# KiCad board GDI-4ch.kicad_pcb (continued)
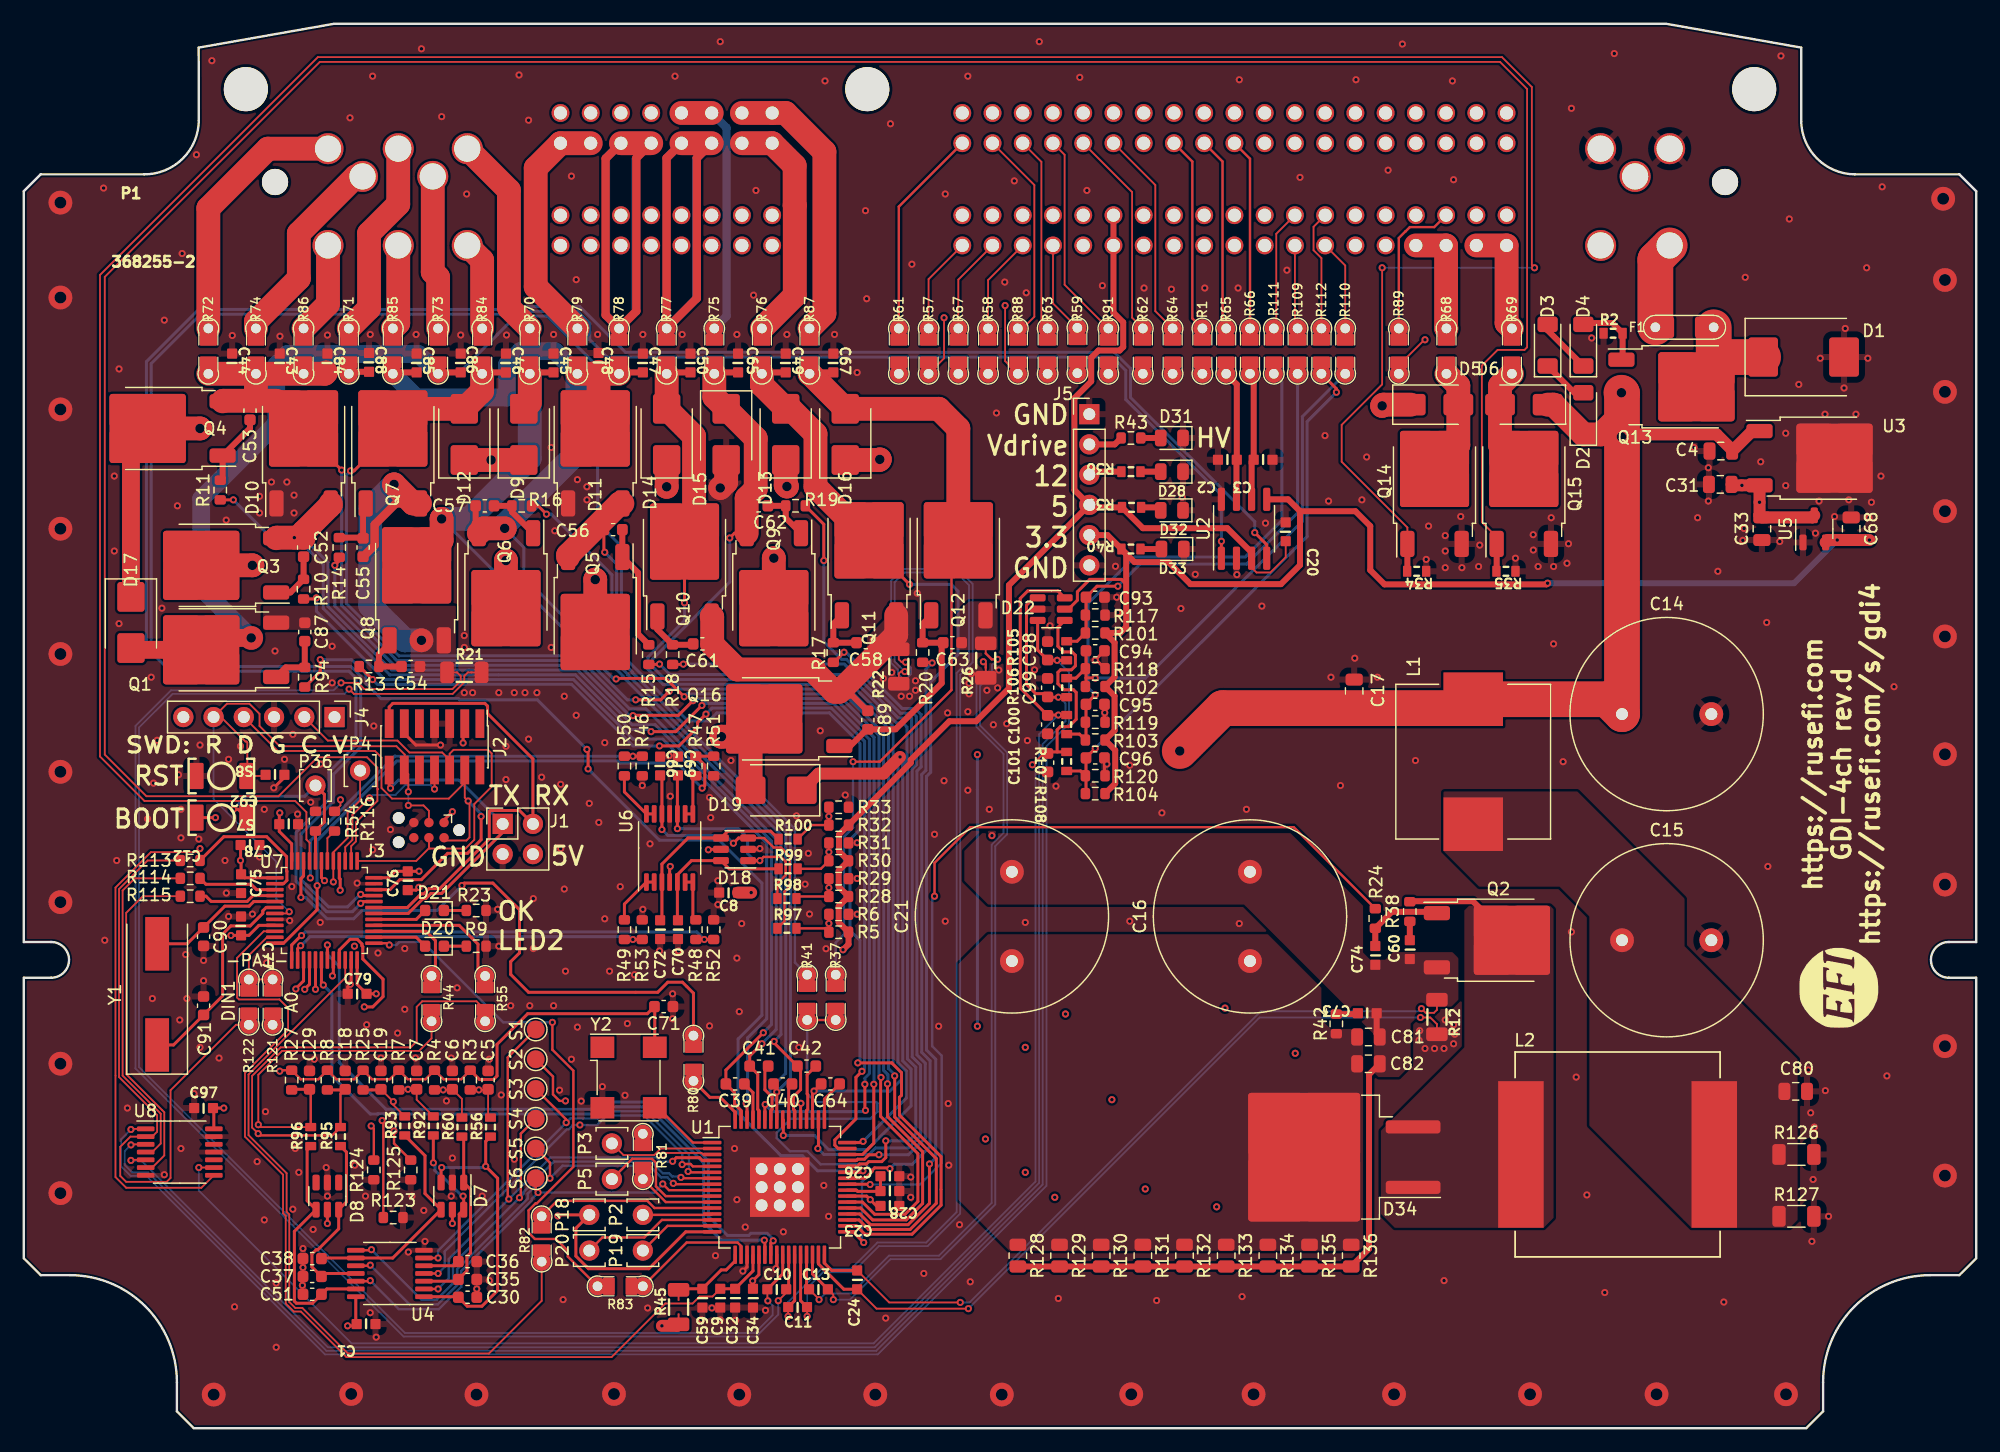
[diagram p0: board, top side]
## Library data of the parts (continued)
R50-R54 = -: Description: Resistor; LCSC: C25804; Manufacturer: StackPole; Part #: RMCF0603JT10K0; VEND: DIGI; VEND#: RMCF0603JT10K0CT-ND
R113-R116 = -: Description: Resistor; LCSC: C21189
R126 R127 = -: Description: Resistor; LCSC: C17944
R128-R136 = -: Description: Resistor; LCSC: C17756
S1-S6 = -: Description: test point
S7 S8 = -: Description: Single-Pole, Single-Throw Switch; LCSC: C115357
U1 = -: LCSC: C729087
U2 = -: Description: High-Speed CAN Transceiver, separate VIO, silent mode, SOIC-8; LCSC: C38695
U3 = -: Description: Positive 500mA 35V Linear Regulator, Fixed Output 5V, TO-252 (D-PAK); LCSC: C58069
U4 = -: Description: Hex inverter schmitt trigger; LCSC: C5606
U5 = -: Description: Positive 60-250mA Low Dropout Regulator, Fixed Output, SOT-23; LCSC: C5446
U6 = -: Description: 1MHz, Low-Power Op Amp, DIP-14/SOIC-14/TSSOP-14; LCSC: C248577; Manufacturer: MicroChip; Part #: MCP6004T-I/ST; VEND: DIGI; VEND#: MCP6004T-I/STCT-ND
U7 = -: Description: ARM Cortex-M3 MCU, 32KB flash, 10KB RAM, 72MHz, 2-3.6V, 37 GPIO, LQFP-48; LCSC: C77979
U8 = -: Description: Hex inverter schmitt trigger
Y1 = -: Description: Two pin crystal; LCSC: C12674
Y2 = -: Description: LVCMOS Ultra Low Phase Noise XO / VCXO, Abracon ABLNO; LCSC: C2901463

## Footprints (pads in the part's own frame, mm; a bottom-side part is the same pattern mirrored in y, then rotated)
C0603
  rrect 0.85x0.85 smd: 1(-0.79,0) 2(0.79,0)
C_0603_1608Metric
  rrect 0.9x0.95 smd: 1(-0.775,0) 2(0.775,0)
C_0805_2012Metric
  rrect 1x1.45 smd: 1(-0.95,0) 2(0.95,0)
C_Radial_D16.0mm_H25.0mm_P7.50mm
  round 2 hole 1: 1(0,0) 2(7.5,0)
Crystal_SMD_HC49-SD
  rect 4.5x2 smd: 1(-4.25,0) 2(4.25,0)
D_MiniMELF
  rrect 1.3x1.7 smd: 1(-1.75,0) 2(1.75,0)
D_SMA
  rrect 2.5x1.8 smd: 1(-2,0) 2(2,0)
D_SMB
  rrect 2.5x2.3 smd: 1(-2.15,0) 2(2.15,0)
D_SMC
  rrect 2.5x3.3 smd: 1(-3.4,0) 2(3.4,0)
L_Vishay_IHLP-6767
  rect 3.825x12.32 smd: 1(-8.123,0) 2(8.123,0)
L_Wuerth_HCI-1350
  rect 4.5x5 smd: 1(-5.25,0) 2(5.25,0)
LED_0603_1608Metric
  rrect 0.875x0.95 smd: 1(-0.787,0) 2(0.787,0)
LED_0805_2012Metric
  rrect 0.975x1.4 smd: 1(-0.938,0) 2(0.938,0)
LQFP-48_7x7mm_P0.5mm
  rrect 1.475x0.3 smd: 1(-4.162,2.75) 2(-4.162,2.25) 3(-4.162,1.75) 4(-4.162,1.25) 5(-4.162,0.75) 6(-4.162,0.25) 7(-4.162,-0.25) 8(-4.162,-0.75) 9(-4.162,-1.25) 10(-4.162,-1.75) 11(-4.162,-2.25) 12(-4.162,-2.75) 25(4.162,-2.75) 26(4.162,-2.25) 27(4.162,-1.75) 28(4.162,-1.25) 29(4.162,-0.75) 30(4.162,-0.25) 31(4.162,0.25) 32(4.162,0.75) 33(4.162,1.25) 34(4.162,1.75) 35(4.162,2.25) 36(4.162,2.75)
  rrect 0.3x1.475 smd: 13(-2.75,-4.162) 14(-2.25,-4.162) 15(-1.75,-4.162) 16(-1.25,-4.162) 17(-0.75,-4.162) 18(-0.25,-4.162) 19(0.25,-4.162) 20(0.75,-4.162) 21(1.25,-4.162) 22(1.75,-4.162) 23(2.25,-4.162) 24(2.75,-4.162) 37(2.75,4.162) 38(2.25,4.162) 39(1.75,4.162) 40(1.25,4.162) 41(0.75,4.162) 42(0.25,4.162) 43(-0.25,4.162) 44(-0.75,4.162) 45(-1.25,4.162) 46(-1.75,4.162) 47(-2.25,4.162) 48(-2.75,4.162)
LQFP-64-1EP_10x10mm_P0.5mm_EP5x5mm_ThermalVias
  custom 0.564x0.564 smd: (-2.15,2.15) (-2.15,-2.15) (2.15,2.15) (2.15,-2.15)
  custom 0.564x0.967 smd: (-2.15,1.2) (-2.15,0) (-2.15,-1.2) (2.15,1.2) (2.15,0) (2.15,-1.2)
  custom 0.967x0.564 smd: (-1.2,2.15) (-1.2,-2.15) (0,2.15) (0,-2.15) (1.2,2.15) (1.2,-2.15)
  rrect 0.967x0.967 smd: (-1.2,1.2) (-1.2,0) (-1.2,-1.2) (0,1.2) (0,0) (0,-1.2) (1.2,1.2) (1.2,0) (1.2,-1.2)
  rrect 1.55x0.3 smd: 1(-5.675,3.75) 2(-5.675,3.25) 3(-5.675,2.75) 4(-5.675,2.25) 5(-5.675,1.75) 6(-5.675,1.25) 7(-5.675,0.75) 8(-5.675,0.25) 9(-5.675,-0.25) 10(-5.675,-0.75) 11(-5.675,-1.25) 12(-5.675,-1.75) 13(-5.675,-2.25) 14(-5.675,-2.75) 15(-5.675,-3.25) 16(-5.675,-3.75) 33(5.675,-3.75) 34(5.675,-3.25) 35(5.675,-2.75) 36(5.675,-2.25) 37(5.675,-1.75) 38(5.675,-1.25) 39(5.675,-0.75) 40(5.675,-0.25) 41(5.675,0.25) 42(5.675,0.75) 43(5.675,1.25) 44(5.675,1.75) 45(5.675,2.25) 46(5.675,2.75) 47(5.675,3.25) 48(5.675,3.75)
  rrect 0.3x1.55 smd: 17(-3.75,-5.675) 18(-3.25,-5.675) 19(-2.75,-5.675) 20(-2.25,-5.675) 21(-1.75,-5.675) 22(-1.25,-5.675) 23(-0.75,-5.675) 24(-0.25,-5.675) 25(0.25,-5.675) 26(0.75,-5.675) 27(1.25,-5.675) 28(1.75,-5.675) 29(2.25,-5.675) 30(2.75,-5.675) 31(3.25,-5.675) 32(3.75,-5.675) 49(3.75,5.675) 50(3.25,5.675) 51(2.75,5.675) 52(2.25,5.675) 53(1.75,5.675) 54(1.25,5.675) 55(0.75,5.675) 56(0.25,5.675) 57(-0.25,5.675) 58(-0.75,5.675) 59(-1.25,5.675) 60(-1.75,5.675) 61(-2.25,5.675) 62(-2.75,5.675) 63(-3.25,5.675) 64(-3.75,5.675)
  round 1.3 hole 1: 65(-1.524,1.524) 65(-1.524,0) 65(-1.524,-1.524) 65(0,1.524) 65(0,0) 65(0,-1.524) 65(1.524,1.524) 65(1.524,0) 65(1.524,-1.524)
  rect 4.1x4.1 smd far side: 65(0,0)
  rect 5x5 smd: 65(0,0)
Oscillator_SMD_Diodes_FN-4Pin_7.0x5.0mm
  rect 2x1.8 smd: 1(-2.2,2.54) 2(-2.2,-2.54) 3(2.2,-2.54) 4(2.2,2.54)
PAD-0805-PAD
  round 1.524 hole 0.813: 1(-1.905,0) 2(1.905,0)
  rrect 1x1.45 smd: 1(-0.95,0) 2(0.95,0)
PAD-1206-PAD
  round 1.524 hole 0.813: 1(-2.45,0) 2(2.45,0)
  rrect 1.15x1.8 smd: 1(-1.45,0) 2(1.45,0)
PAD-TH
  round 1.7 hole 1: 1(0,0)
PinHeader_1x06_P2.54mm_Vertical
  rect 1.7x1.7 hole 1: 1(0,0)
  oval 1.7x1.7 hole 1: 2(0,-2.54) 3(0,-5.08) 4(0,-7.62) 5(0,-10.16) 6(0,-12.7)
PinHeader_2x02_P2.54mm_Vertical
  rect 1.7x1.7 hole 1: 1(0,0)
  oval 1.7x1.7 hole 1: 2(2.54,0) 3(0,-2.54) 4(2.54,-2.54)
PinHeader_2x07_P1.27mm_Vertical_SMD
  rect 2.4x0.74 smd: 1(-1.95,3.81) 2(1.95,3.81) 3(-1.95,2.54) 4(1.95,2.54) 5(-1.95,1.27) 6(1.95,1.27) 7(-1.95,0) 8(1.95,0) 9(-1.95,-1.27) 10(1.95,-1.27) 11(-1.95,-2.54) 12(1.95,-2.54) 13(-1.95,-3.81) 14(1.95,-3.81)
R0603
  rrect 0.7x0.92 smd: 1(-0.8,0) 2(0.8,0)
R_0603_1608Metric
  rrect 0.8x0.95 smd: 1(-0.825,0) 2(0.825,0)
R_0805_2012Metric
  rrect 1.025x1.4 smd: 1(-0.912,0) 2(0.912,0)
R_1206_3216Metric
  rrect 1.125x1.75 smd: 1(-1.462,0) 2(1.462,0)
Shunt_1206
  rrect 1.15x1.8 smd: 1(-1.45,0) 4(1.45,0)
  rrect 0.15x0.15 smd: 2(-0.6,0) 3(0.6,0)
SMD-2_2.9x3.9x1.7
  rrect 1.2x2.2 smd: 1(-2.1,0) 2(2.1,0)
SOIC-8_3.9x4.9mm_P1.27mm
  rrect 1.95x0.6 smd: 1(-2.475,1.905) 2(-2.475,0.635) 3(-2.475,-0.635) 4(-2.475,-1.905) 5(2.475,-1.905) 6(2.475,-0.635) 7(2.475,0.635) 8(2.475,1.905)
SOT-23-3
  rrect 1.325x0.6 smd: 1(-1.137,0.95) 2(-1.137,-0.95) 3(1.137,0)
SOT-23-6
  rrect 1.325x0.6 smd: 1(-1.137,0.95) 2(-1.137,0) 3(-1.137,-0.95) 4(1.137,-0.95) 5(1.137,0) 6(1.137,0.95)
Tag-Connect_TC2030-IDC-NL_2x03_P1.27mm_Vertical
  round 0.991 hole 0.991 unplated: (-2.54,0) (2.54,1.016) (2.54,-1.016)
  round 0.787 smd: 1(-1.27,-0.635) 2(-1.27,0.635) 3(0,-0.635) 4(0,0.635) 5(1.27,-0.635) 6(1.27,0.635)
TE_368255-2
  round 3.7 hole 3.7 unplated: (-6.84,13.13) (45.36,13.13) (119.86,13.13)
  round 2.2 hole 2.2 unplated: (-4.39,5.33) (117.41,5.33)
  round 2.6 hole 2.2: 1(112.76,8.13) 2(106.96,8.13) 3(109.86,5.8) 4(112.76,0) 5(106.96,0) 114(11.76,8.13) 115(5.96,8.13) 116(0.06,8.13) 117(8.86,5.8) 118(2.96,5.8) 119(11.76,0) 120(5.96,0) 121(0.06,0)
  round 1.5 hole 1.1: 6(53.34,0) 7(55.88,0) 8(58.42,0) 9(60.96,0) 10(63.5,0) 11(66.04,0) 12(68.58,0) 13(71.12,0) 14(73.66,0) 15(76.2,0) 16(78.74,0) 17(81.28,0) 18(83.82,0) 19(86.36,0) 20(88.9,0) 21(91.44,0) 22(93.98,0) 23(96.52,0) 24(99.06,0) 25(53.34,2.54) 26(55.88,2.54) 27(58.42,2.54) 28(60.96,2.54) 29(63.5,2.54) 30(66.04,2.54) 31(68.58,2.54) 32(71.12,2.54) 33(73.66,2.54) 34(76.2,2.54) 35(78.74,2.54) 36(81.28,2.54) 37(83.82,2.54) 38(86.36,2.54) 39(88.9,2.54) 40(91.44,2.54) 41(93.98,2.54) 42(96.52,2.54) 43(99.06,2.54) 44(53.34,8.59) 45(55.88,8.59) 46(58.42,8.59) 47(60.96,8.59) 48(63.5,8.59) 49(66.04,8.59) 50(68.58,8.59) 51(71.12,8.59) 52(73.66,8.59) 53(76.2,8.59) 54(78.74,8.59) 55(81.28,8.59) 56(83.82,8.59) 57(86.36,8.59) 58(88.9,8.59) 59(91.44,8.59) 60(93.98,8.59) 61(96.52,8.59) 62(99.06,8.59) 63(53.34,11.13) 64(55.88,11.13) 65(58.42,11.13) 66(60.96,11.13) 67(63.5,11.13) 68(66.04,11.13) 69(68.58,11.13) 70(71.12,11.13) 71(73.66,11.13) 72(76.2,11.13) 73(78.74,11.13) 74(81.28,11.13) 75(83.82,11.13) 76(86.36,11.13) 77(88.9,11.13) 78(91.44,11.13) 79(93.98,11.13) 80(96.52,11.13) 81(99.06,11.13) 82(37.37,11.13) 83(34.83,11.13) 84(32.29,11.13) 85(29.75,11.13) 86(27.21,11.13) 87(24.67,11.13) 88(22.13,11.13) 89(19.59,11.13) 90(37.37,8.59) 91(34.83,8.59) 92(32.29,8.59) 93(29.75,8.59) 94(27.21,8.59) 95(24.67,8.59) 96(22.13,8.59) 97(19.59,8.59) 98(37.37,2.54) 99(34.83,2.54) 100(32.29,2.54) 101(29.75,2.54) 102(27.21,2.54) 103(24.67,2.54) 104(22.13,2.54) 105(19.59,2.54) 106(37.37,0) 107(34.83,0) 108(32.29,0) 109(29.75,0) 110(27.21,0) 111(24.67,0) 112(22.13,0) 113(19.59,0)
TestPoint_Pad_D1.5mm
  round 1.5 smd: 1(0,0)
TO-252-2
  rrect 2.2x1.2 smd: 1(-5.04,2.28) 3(-5.04,-2.28)
  rrect 3.05x2.75 smd: 2(-0.415,1.525) 2(-0.415,-1.525) 2(2.935,1.525) 2(2.935,-1.525)
  rrect 6.4x5.8 smd: 2(1.26,0)
TO-263-2
  rrect 4.6x1.1 smd: 1(-7.65,2.54) 3(-7.65,-2.54)
  rrect 4.55x5.25 smd: 2(-0.925,2.775) 2(-0.925,-2.775) 2(3.925,2.775) 2(3.925,-2.775)
  rrect 9.4x10.8 smd: 2(1.5,0)
TSSOP-14_4.4x5mm_P0.65mm
  rrect 1.475x0.4 smd: 1(-2.862,1.95) 2(-2.862,1.3) 3(-2.862,0.65) 4(-2.862,0) 5(-2.862,-0.65) 6(-2.862,-1.3) 7(-2.862,-1.95) 8(2.862,-1.95) 9(2.862,-1.3) 10(2.862,-0.65) 11(2.862,0) 12(2.862,0.65) 13(2.862,1.3) 14(2.862,1.95)

## Nets
+3.3V: C1.2 C12.2 C68.2 C71.2 C75.2 C76.2 C77.2 C78.2 C79.2 C97.2 D7.5 D8.5 D22.5 J2.3 J3.1 J4.1 J5.5 R3.1 R4.1 R7.1 R8.1 R25.1 R27.1 R40.2 R45.1 R101.1 R102.1 R103.1 R104.1 S7.2 U2.5 U4.14 U5.2 U7.1 U7.9 U7.24 U7.36 U7.48 U8.14 Y2.4
+5V: C8.2 C20.2 C31.2 C33.2 C34.2 D18.5 J1.4 J5.4 P1.11 P1.30 R5.1 R28.1 R30.1 R32.1 R39.2 U1.21 U2.3 U3.3 U5.3 U6.4
/VCC2P5: C9.2 C32.2 U1.20 U7.10
/VCCP: C26.2 C28.2 U1.40
GND: C1.1 C2.2 C3.1 C4.1 C5.1 C6.1 C7.1 C8.1 C9.1 C12.1 C14.2 C15.2 C17.2 C18.1 C19.1 C20.1 C23.1 C26.1 C28.1 C29.1 C30.1 C31.1 C32.1 C33.1 C34.1 C35.1 C36.1 C37.1 C38.1 C43.1 C44.1 C45.1 C46.1 C47.1 C48.1 C49.1 C50.1 C51.1 C59.1 C65.1 C66.1 C67.1 C68.1 C69.1 C70.1 C71.1 C72.1 C75.1 C76.1 C77.1 C78.1 C79.1 C80.2 C84.1 C85.1 C86.1 C88.1 C90.2 C91.2 C92.1 C93.1 C94.1 C95.1 C96.1 C97.1 C98.1 C99.1 C100.1 C101.1 D1.2 D7.2 D8.2 D10.1 D11.1 D15.2 D18.2 D22.2 D28.1 D31.1 D32.1 D33.1 J1.3 J2.5 J2.7 J2.11 J3.5 J4.3 J5.1 J5.6 P1.1 P1.2 Q14.3 Q15.3 R2.1 R6.2 R9.2 R12.4 R21.4 R22.4 R23.1 R26.4 R29.2 R31.2 R33.2 R34.1 R35.1 R50.1 R51.1 R52.1 R53.1 R54.2 R117.1 R118.1 R119.1 R120.1 R123.2 R124.2 R125.2 R126.2 R127.2 S8.2 U1.19 U1.24 U1.65 U2.2 U2.8 U3.2 U4.7 U5.1 U6.11 U7.8 U7.23 U7.35 U7.47 U8.7 U8.11 U8.13 Y2.2
+BATT: C4.2 C14.1 C17.1 C23.2 D2.1 D5.1 D6.1 D16.1 J5.3 L1.1 Q3.2 Q5.2 Q11.2 Q13.3 R1.2 R36.2 U1.39 U3.1
/+Batt_filtered: C15.1 C80.1 L1.2 L2.1 R126.1 R127.1
/A0: R46.1 R50.2 R121.2
/A1: R47.1 R51.2 U7.12
/A2: R48.1 R52.2 U7.13
/A3: R49.1 R53.2 U7.14
/Boot0: P36.1 R54.1 S7.1 U7.44
/CAN_H: C2.1 R65.2 U2.7
/CAN_L: C3.2 R66.2 U2.6
/CAN_RX: U2.4 U7.32
/CAN_TX: U2.1 U7.33
/CLK: U1.1 Y2.3
/CSB: P2.1 U1.13 U7.20
/DBG: R83.2 U7.25
/DIN1: R113.2 R122.2 U8.2
/DIN2: R114.2 U8.4
/DIN3: R115.2 U8.6
/DIN4: R116.1 U8.8
/DRVEN: P3.1 R123.1 U1.2 U7.40
/FLAG_0: P5.1 R125.1 U1.10 U7.43
/FLAG_1: R81.2 U7.21
/FLAG_2: R82.2 U7.22
/H1: C41.2 C43.2 C44.2 C53.1 C84.2 D10.2 Q4.3 R72.2 R74.2 R86.2 U1.60
/H3: C42.2 C47.2 C48.2 C57.1 C85.2 D11.2 Q6.3 R78.2 R79.2 R85.2 U1.54
/H5PUMP: C62.1 C64.2 C65.2 D15.1 Q11.3 R75.2 U1.51
/IN5: C18.2 R8.2 R55.1 R88.2 R89.2 R95.2
/IN6: C29.2 R27.2 R44.1 R91.2 R96.2
/IN_A0: R5.2 R6.1 R57.2 R97.2
/IN_A1: R28.2 R29.1 R67.2 R98.2
/IN_A2: R30.2 R31.1 R58.2 R99.2
/IN_A3: R32.2 R33.1 R59.2 R100.2
/IN_DIN1: C93.2 R101.2 R105.2 R109.2 R117.2
/IN_DIN2: C94.2 R102.2 R106.2 R110.2 R118.2
/IN_DIN3: C95.2 R103.2 R107.2 R111.2 R119.2
/IN_DIN4: C96.2 R104.2 R108.2 R112.2 R120.2
/IN_INJ1: C5.2 R3.2 R56.2 R61.2
/IN_INJ2: C6.2 R4.2 R60.2 R62.2
/IN_INJ3: C7.2 R7.2 R63.2 R92.2
/IN_INJ4: C19.2 R25.2 R64.2 R93.2
/IN_INJ5: P1.45 R88.1
/IN_INJ6: P1.47 R91.1
/IN_PUMP: P1.41 R89.1
/IRQ: R80.2 U7.46
/L1: C45.2 D9.2 Q8.2 R70.2 U1.38
/L2: C46.2 D12.2 Q7.2 R84.2 U1.37
/L3: C49.2 D13.2 Q9.2 R76.2 U1.36
/L4: C50.2 D14.2 Q10.2 R77.2 U1.35
/L5: C86.2 D17.2 Q1.2 R73.2 U1.34
/L6: C88.2 D19.2 Q16.2 R41.1 R71.2
/L6PUMP: C67.2 D16.2 Q12.2 R37.1 R87.2
/LED_GREEN: D21.2 U7.29
/LS1: Q14.1 R34.2 U7.45
/LS2: Q15.1 R35.2 U7.38
/MISO: P19.1 U1.15 U7.16
/MOSI: P20.1 U1.14 U7.17
/nRESET: C92.2 J2.12 J3.3 J4.5 S8.1 U7.7
/OA_1: U1.22 U7.18
/OA_2: U1.23 U7.19
/OUT_INJ1_N: P1.114 R70.1
/OUT_INJ1_P: P1.118 R74.1
/OUT_INJ2_N: P1.119 R84.1
/OUT_INJ2_P: P1.121 R86.1
/OUT_INJ3_N: P1.90 P1.91 R76.1
/OUT_INJ3_P: P1.94 P1.95 R78.1
/OUT_INJ4_N: P1.92 P1.93 R77.1
/OUT_INJ4_P: P1.96 P1.97 R79.1
/OUT_INJ5_N: P1.117 R73.1
/OUT_INJ5_P: P1.116 R72.1
/OUT_INJ6_N: P1.115 R71.1
/OUT_INJ6_P: P1.120 R85.1
/OUT_LS1: D5.2 Q14.2 R68.2
/OUT_LS2: D6.2 Q15.2 R69.2
/OUT_PUMP_N: P1.82 P1.83 R87.1
/OUT_PUMP_P: P1.84 P1.85 R75.1
/RESETB: P4.1 R124.1 U1.3 U7.41
/SCLK: P18.1 U1.16 U7.15
/START1: S1.1 U1.4 U4.2
/START2: S2.1 U1.5 U4.4
/START3: S3.1 U1.6 U4.6
/START4: S4.1 U1.7 U4.8
/START5: S5.1 U1.8 U4.10
/START6: S6.1 U1.9 U4.12
/SWCLK: J2.6 J3.4 J4.2 U7.37
/SWDIO: J2.4 J3.2 J4.4 U7.34
/SWO: J2.8 U7.39
/UART_RX: J1.2 J2.13 U7.31
/UART_TX: J1.1 J2.14 U7.30
/Vdrive_coil: D34.1 D34.3 L2.2 Q2.2 R38.2
/Vdrive_shunt: C16.2 C21.2 C60.1 C73.1 C74.1 C81.2 C82.2 Q2.3 R12.1 R128.2 R129.2 R130.2 R131.2 R132.2 R133.2 R134.2 R135.2 R136.2
/VSENSE1: C54.1 C55.1 C87.1 Q1.3 Q7.3 Q8.3 R21.1
/VSENSE2: C58.1 C61.1 C89.1 Q9.3 Q10.3 Q16.3 R22.1
Vdrive: C16.1 C21.1 C81.1 C82.1 D9.1 D12.1 D13.1 D14.1 D17.1 D19.1 D34.2 J5.2 Q4.2 Q6.2 R42.2 R43.2 R128.1 R129.1 R130.1 R131.1 R132.1 R133.1 R134.1 R135.1 R136.1 U1.48
Net-(C30-Pad2): C30.2 D7.3 R56.1 U4.1
Net-(C35-Pad2): C35.2 D7.1 R60.1 U4.3
Net-(C36-Pad2): C36.2 D7.6 R92.1 U4.5
Net-(C37-Pad2): C37.2 D8.6 R95.1 U4.11
Net-(C38-Pad2): C38.2 D7.4 R93.1 U4.9
Net-(C51-Pad2): C51.2 D8.4 R96.1 U4.13
Net-(C60-Pad2): C60.2 R38.1
Net-(C73-Pad2): C73.2 R42.1
Net-(C98-Pad2): C98.2 D22.3 R105.1 U8.1
Net-(C99-Pad2): C99.2 D22.1 R106.1 U8.3
Net-(C100-Pad2): C100.2 D22.6 R107.1 U8.5
Net-(C101-Pad2): C101.2 D22.4 R108.1 U8.9
Net-(D1-A1): D1.1 F1.2 Q13.2
Net-(D2-A): D2.2 D3.1
Net-(D3-A): D3.2 D4.1
Net-(D4-A): D4.2 Q13.1 R2.2
Net-(D20-A): D20.2 U7.26
Net-(D20-K): D20.1 R9.1
Net-(D21-K): D21.1 R23.2
Net-(D28-A): D28.2 R36.1
Net-(D31-A): D31.2 R43.1
Net-(D32-A): D32.2 R39.1
Net-(D33-A): D33.2 R40.1
Net-(F1-Pad1): F1.1 P1.4
Net-(P1-Pad6): P1.6 R57.1
Net-(P1-Pad7): P1.7 R67.1
Net-(P1-Pad8): P1.8 R58.1
Net-(P1-Pad9): P1.9 R59.1
Net-(P1-Pad17): P1.17 R109.1
Net-(P1-Pad18): P1.18 R110.1
Net-(P1-Pad21): P1.21 P1.22 R68.1
Net-(P1-Pad23): P1.23 P1.24 R69.1
Net-(P1-Pad36): P1.36 R111.1
Net-(P1-Pad37): P1.37 R112.1
Net-(P1-Pad44): P1.44 R61.1
Net-(P1-Pad46): P1.46 R63.1
Net-(P1-Pad48): P1.48 R62.1
Net-(P1-Pad49): P1.49 R64.1
Net-(P1-Pad51): P1.51 R1.1
Net-(P1-Pad52): P1.52 R65.1
Net-(P1-Pad53): P1.53 R66.1
Net-(Q1-G): C87.2 Q1.1 R94.2
Net-(Q2-G): C74.2 Q2.1 R24.1
Net-(Q3-G): C52.2 Q3.1 R10.2
Net-(Q3-S): C39.2 C52.1 D10.3 Q3.3 U1.63
Net-(Q4-G): C53.2 Q4.1 R11.2
Net-(Q5-G): C56.2 Q5.1 R15.2
Net-(Q5-S): C40.2 C56.1 D11.3 Q5.3 U1.57
Net-(Q6-G): C57.2 Q6.1 R16.2
Net-(Q7-G): C55.2 Q7.1 R14.2
Net-(Q8-G): C54.2 Q8.1 R13.2
Net-(Q9-G): C58.2 Q9.1 R17.2
Net-(Q10-G): C61.2 Q10.1 R18.2
Net-(Q11-G): C62.2 Q11.1 R19.2
Net-(Q12-G): C63.2 C89.2 Q12.1 Q16.1 R20.2
Net-(Q12-S): C63.1 Q12.3 R26.1
Net-(U1-B_HS1): C39.1 U1.61
Net-(U1-B_HS2): C41.1 U1.58
Net-(U1-B_HS3): C40.1 U1.55
Net-(U1-B_HS4): C42.1 U1.52
Net-(U1-B_HS5): C64.1 U1.49
Net-(U1-D_LS6): R37.2 R41.2 U1.33
Net-(U1-DBG): R83.1 U1.18
Net-(U1-FLAG1): R81.1 U1.11
Net-(U1-FLAG2): R82.1 U1.12
Net-(U1-G_HS1): R10.1 U1.62
Net-(U1-G_HS2): R11.1 U1.59
Net-(U1-G_HS3): R15.1 U1.56
Net-(U1-G_HS4): R16.1 U1.53
Net-(U1-G_HS5): R19.1 U1.50
Net-(U1-G_LS1): R13.1 U1.47
Net-(U1-G_LS2): R14.1 U1.46
Net-(U1-G_LS3): R17.1 U1.45
Net-(U1-G_LS4): R18.1 U1.44
Net-(U1-G_LS5): R94.1 U1.43
Net-(U1-G_LS6): R20.1 U1.42
Net-(U1-G_LS7): R24.2 U1.41
Net-(U1-IRQ): R80.1 U1.64
Net-(U1-VCCIO): C59.2 R45.4 U1.17
Net-(U1-VSENSEN1): C10.1 R21.3 U1.25
Net-(U1-VSENSEN2): C11.1 R22.3 U1.27
Net-(U1-VSENSEN3): C13.1 R26.3 U1.29
Net-(U1-VSENSEN4): C24.1 R12.3 U1.31
Net-(U1-VSENSEP1): C10.2 R21.2 U1.26
Net-(U1-VSENSEP2): C11.2 R22.2 U1.28
Net-(U1-VSENSEP3): C13.2 R26.2 U1.30
Net-(U1-VSENSEP4): C24.2 R12.2 U1.32
Net-(U6A-+): C72.2 D18.4 R100.1 U6.3
Net-(U6A--): R49.2 U6.1 U6.2
Net-(U6B-+): C70.2 D18.6 R99.1 U6.5
Net-(U6B--): R48.2 U6.6 U6.7
Net-(U6C-+): C69.2 D18.1 R98.1 U6.10
Net-(U6C--): R47.2 U6.8 U6.9
Net-(U6D-+): C66.2 D18.3 R97.1 U6.12
Net-(U6D--): R46.2 U6.13 U6.14
Net-(U7-PA1): R121.1 R122.1 U7.11
Net-(U7-PB6): R116.2 U7.42
Net-(U7-PB14): R44.2 U7.27
Net-(U7-PB15): R55.2 U7.28
Net-(U7-PC13): R113.1 U7.2
Net-(U7-PC14): R114.1 U7.3
Net-(U7-PC15): R115.1 U7.4
Net-(U7-PD0): C90.1 U7.5 Y1.2
Net-(U7-PD1): C91.1 U7.6 Y1.1

Pads without a net: D8 1 3; J2 1 2 9 10; J3 6; J4 6; P1 3 5 10 12 13 14 15 16 19 20 25 26 27 28 29 31 32 33 34 35 38 39 40 42 43 50 54 55 56 57 58 59 60 61 62 63 64 65 66 67 68 69 70 71 72 73 74 75 76 77 78 79 80 81 86 87 88 89 98 99 100 101 102 103 104 105 106 107 108 109 110 111 112 113; R45 2 3; U8 10 12; Y2 1

## Via types
v1: diameter 0.6, hole 0.3, Top to Bottom, 613 vias
v2: diameter 2, hole 1, Top to Bottom, 31 vias
v3: diameter 2, hole 0.8, Top to Bottom, 20 vias

## Routing (per net, layer and track width the routed paths; a pad name or vN(x,y) marks a point on that pad's centre or on a via; arc(x,y) is an arc through that point)
+3.3V: length 505.1
  Top w0.2: v1(21.5,30) 21.58,30.08 R27.1 23.25,29.33 24.75,29.33 R8.1 26.25,29.33 27.75,29.33 R25.1 29.25,29.33 30.75,29.33 R7.1 32.25,29.33 33.75,29.33 R4.1 35.25,29.33 36.75,29.33 R3.1
  Top w0.25: U7.1 18.54,46.25 C75.2 18.25,47.65 v1(18.2,47.7) 18.21,47.71 C12.2 ; v1(17.4,41.4) 17.41,41.41 18.91,41.41 19.75,42.25 U7.9 ; U7.48 22.5,49.1 21.46,50.14 C78.2 21.46,51.66 v1(21.5,51.7) ; J2.3 36.9,59.06 v1(36.9,57.57) ; v1(33.2,46.8) 33.19,46.79 C76.2 31.19,46.79 30.65,46.25 U7.36 ; 92.6,70.92 92.2,71.32 89.54,71.32 88.5,70.28 88.5,69.57 87.75,68.82 D22.5 ; v1(29.6,36.5) C79.2 28,37.29 U7.24 ; U8.14 15.96,26.83 C97.2 v1(16.8,26.9) ; v1(36,51.8) 35.3,51.1 J3.1 ; U4.14 27.89,8.82 C1.2 27.81,8.6 v1(27.2,8.6) ; S7.2 v1(16.1,51.3) ; D7.5 v1(36,17.2) ; D8.5 v1(25.5,17.2) ; C71.2 52.38,34.83 42.33,34.83 39.75,32.25 39.75,29.59 39.46,29.3 38.27,29.3 R3.1 ; 53,32.01 53,35.4
  Top w0.5: R40.2 92.6,73.47 92.6,67.32 92.1,66.82 R101.1 91.62,66.02 91.62,63.12 R102.1 91.62,61.52 91.62,58.62 R103.1 91.68,56.97 91.68,54.17 R104.1 ; R40.2 91.03,75.04 J5.5 ; R40.2 93.3,72.77 96.15,72.77 98,70.92 105.6,70.92 107.2,72.52 107.2,77.05 ; 107.2,77.05 111.85,77.05 113.1,75.8 113.1,72.1 114.3,70.9 127.9,70.9 v1(128,71) ; 107.2,77.05 106.2,78.05 U2.5
  Top w1: C68.2 151.55,74.63 U5.2 ; C68.2 v1(155.03,74.63) ; C68.2 v1(152.32,74.63) ; v1(53.6,8.6) 54.88,8.6 R45.1
  PWR w0.25: v1(16.1,51.3) 18.55,48.85 18.65,48.85 ; 21.5,23.9 19.72,23.9 16.8,26.82 v1(16.8,26.9)
  PWR w1: v1(21.5,51.7) 23,53.2 23,56.65 J4.1 ; v1(21.5,51.7) 18.2,48.4 v1(18.2,47.7) 18.2,42.2 v1(17.4,41.4) 17.4,32.7 20.1,30 v1(21.5,30) 21.5,21.2 v1(25.5,17.2) ; v1(21.5,51.7) 26.4,46.8 v1(33.2,46.8) ; v1(33.2,46.8) 33.2,49 v1(36,51.8) 36,56.67 v1(36.9,57.57) ; v1(33.2,46.8) 28.8,42.4 28.8,37.3 v1(29.6,36.5) ; v1(152.32,74.63) v1(155.03,74.63) 155.05,74.6 155.05,16.75 145.1,6.8 55.4,6.8 v1(53.6,8.6) v1(27.2,8.6) 27.1,8.6 25.5,10.2 v1(25.5,17.2) ; v1(25.5,17.2) v1(36,17.2)
  Bottom w0.5: v1(152.32,74.63) 148.7,71 v1(128,71)
+5V: length 345.4
  Top w0.15: U2.3 103.13,72.31 103.55,71.9 104.71,71.9 106,73.18 C20.2
  Top w0.25: U1.21 61.75,12.9 v1(61.22,12.38) 61.25,12.35 C34.2 ; v1(54.3,47.2) 54.25,47.15 U6.4 ; v1(57.5,48.6) 57.54,48.64 D18.5
  Top w0.5: J5.4 88.25,78.83 88.25,86.55 89.66,87.96 89.66,89.94 90.27,90.55 92.05,90.55 92.35,90.85 92.35,92.92 91.53,93.74 P1.11 P1.30 ; J5.4 89.71,77.37 R39.2 94,75.62 101.09,75.62 103.13,73.58 U2.3 ; J5.4 82.75,70.83 82.75,62.16 79.99,59.4 77.75,59.4 74.5,56.15 74.5,55.9 68.48,49.88 68.48,48.47 69.28,47.68 68.45,46.85 68.45,45.5 69.28,44.68 68.45,43.85 68.45,42.5 69.28,41.68 69.28,40.66 v1(68.81,40.2)
  Top w1: C31.2 143.53,79.22 v1(144.32,79.22) U3.3 v1(145.8,77.8) 145.8,76.73 C33.2 150.22,76.53 U5.3 ; C8.2 v1(61.1,45)
  PWR w1: J1.4 43.8,47.2 v1(54.3,47.2) 55.7,48.6 v1(57.5,48.6) v1(61.1,45) 64.69,41.41 67.6,41.41 v1(68.81,40.2) 69.8,39.21 69.8,31.78 69.11,31.09 69.11,17.36 64.13,12.38 v1(61.22,12.38) 61.22,8.88 62.15,7.95 144.62,7.95 153.9,17.23 153.9,69.7 v1(145.8,77.8) 144.38,79.22 v1(144.32,79.22)
/VCC2P5: length 85.3
  Top w0.15: U7.10 20.15,41.75 17.91,39.51 17.91,36.19 18.07,36.03 21.47,36.03 22.2,35.3 22.2,33.47 18.58,29.85 18.58,24.5 21.78,21.3 21.78,18.06 22,17.83 22,10.48 22.68,9.8 23.28,9.8 27.1,5.98 49.38,5.98 53.88,10.48 56.18,10.48 56.77,11.07 57.85,11.07 C9.2
  Top w0.25: C9.2 C32.2 61.25,13.22 U1.20
/VCCP: length 4.1
  Top w0.25: U1.40 69.94,20 70.04,19.9 71.93,19.9 C28.2 C26.2
GND: length 21.3
  Top w0.25: J2.11 31.96,58.37 32.93,57.4 v1(35,57.4) ; U7.23 27.5,37.37 v1(27.43,37.3) 27.21,37.08 C79.1 ; C95.1 90.78,59.37 R119.1 ; U1.19 60.75,13.55 v1(60.4,13.2) ; v1(61.83,48.7) 61.77,48.64 D18.2 ; R120.1 90.78,54.87 C96.1 ; v1(63.18,13.4) 63.25,13.47 U1.24 ; R118.1 90.13,64.52 v1(90,64.52) 90,64.54 C94.1 ; v1(33.19,45.44) 32.95,45.21 C76.1 ; C92.1 21.89,54.69 v1(21,53.8)
  Top w2: v3(58.5,79) 59,79.5 D15.2
  vias: v1(6.7,104.2) v1(6.8,41) v1(7.6,80) v1(7.6,73.7) v1(7.8,47.7) v1(8,89) v1(8,67.6) v1(8.7,26.9) v1(10.4,51.2) v1(10.7,63.1) v1(10.8,36.1) v1(10.9,54.2) v1(11.2,57.8) v1(11.6,68.9) v1(11.8,93.1) v1(11.8,21.3) v1(12.9,77.5) v1(13,54.9) v1(13.1,34.3) v1(13.2,52) v1(13.2,49.6) v1(13.2,23.5) v1(13.3,98.7) v1(13.6,39.8) v1(13.7,36.1) v1(14.3,28.1) v1(14.5,107) v1(14.7,49.5) v1(14.8,57.4) v1(14.8,32) v1(15.1,39.3) v1(15.1,37.6) v1(15.8,114.9) v1(16.4,31.1) v1(16.9,47.7) v1(17,76.3) v1(17.01,44.97) v1(17.2,56.2) v1(17.2,43) v1(17.51,91.81) v1(17.7,10.2) v1(18.2,57.3) v1(19.2,43.2) v1(19.6,22.4) v1(19.8,78.3) v1(19.8,76.9) v1(19.8,48) v1(20.2,52) v1(20.2,17.5) v1(20.3,26.6) v1(20.4,39.1) v1(20.8,79.5) v1(21.1,65.3) v1(21.2,12.2) v1(21.2,6.8) v1(21.52,91.75) v1(21.9,56.2) v1(22.1,79.5) v1(22.33,42.65) v1(22.51,45.51) v1(22.6,58.3) v1(22.6,18.4) v1(22.7,78.4) v1(22.7,76.9) v1(22.8,23.5) v1(23,51.6) v1(23.1,21.5) v1(23.4,12) v1(23.45,15.1) v1(23.45,13.5) v1(24.1,52.6) v1(24.3,16.7) v1(24.4,31) v1(24.9,55.8) v1(24.9,42.5) v1(25.4,21.9) v1(25.5,91.85) v1(25.5,19.5) v1(25.9,65.7) v1(25.9,62.63) v1(27.4,110.1) v1(27.77,40.5) v1(27.8,22.1) v1(28,45.8) v1(28.7,19.5) v1(28.8,33.9) v1(29.1,91.9) v1(29.1,9.7) v1(29.3,113.6) v1(29.3,48.6) v1(29.4,59) v1(29.6,7.65) v1(29.75,39.93) v1(30,31.1) v1(30.8,50.3) v1(31.4,33.2) v1(32,40.3) v1(32,35.2) v1(32.3,14.8) v1(32.6,19.5) v1(32.9,31.1) v1(32.95,91.9) v1(33.4,115.9) v1(33.6,18.3) v1(33.7,15.7) v1(35.1,110.2) v1(35.5,27.5) v1(35.9,31.1) v1(35.9,19.5) v1(36,22.7) v1(36.4,37) v1(36.7,91.85) v1(37,66.6) v1(37,65.6) v1(37,61.8) v1(37.2,103.7) v1(37.7,61.8) v1(38.05,11.7) v1(38.5,19.5) v1(39.1,31) v1(39.1,12.4) v1(39.8,43.6) v1(39.9,61.8) v1(39.9,40.5) v1(40.1,28) v1(40.55,91.85) v1(40.5,57.3) v1(40.5,54.5) v1(40.9,35.5) v1(41.2,61.8) v1(41.2,22.6) v1(41.6,113.7) v1(42.1,61.8) v1(42.4,109.9) v1(42.4,57.9) v1(42.5,35.5) v1(42.8,44.5) v1(42.8,40.3) v1(43.1,61.8) v1(43.5,54.7) v1(44.3,82.4) v1(44.3,65.6) v1(44.5,91.9) v1(44.5,35.5) v1(44.6,75.4) v1(45,28.4) v1(45.1,54.1) v1(45.1,48.7) v1(45.3,10.8) v1(45.4,61.5) v1(45.4,45.3) v1(45.5,38.4) v1(46,105.2) v1(46,31) v1(46.4,96.5) v1(46.4,59.9) v1(46.5,79.7) v1(46.5,33.7) v1(46.82,27.48) v1(47.3,79.1) v1(47.3,78) v1(47.5,52.5) v1(48.2,91.9) v1(48.3,50.9) v1(48.6,28.7) v1(48.8,57.6) v1(48.8,42.8) v1(49.2,38.4) v1(50.1,45.5) v1(50.5,27.97) v1(50.7,34) v1(51.3,38.1) v1(52,91.9) v1(51.95,54) v1(52,43.6) v1(52.4,10.1) v1(52.6,49.1) v1(53.4,40.1) v1(54.2,56.5) v1(54.3,53.1) v1(54.5,36.5) v1(54.5,34.4) v1(54.7,113.6) v1(55,40.1) v1(55.3,91.9) v1(56.9,9.1) v1(57.6,53) v1(57.6,33.8) v1(57.7,51.3) v1(57.8,10.1) v1(58.1,14.5) v1(58.3,46) v1(58.3,44) v1(58.5,116.5) v1(58.5,9.1) v1(59.4,56.1) v1(59.7,23.5) v1(59.8,9.07) v1(59.9,91.9) v1(59.9,39.5) v1(59.9,19.2) v1(60.1,35) v1(60.3,42.4) v1(60.6,16.9) v1(61.3,95.2) v1(61.5,104) v1(62.3,9.9) v1(63.8,16.5) v1(64.1,91.9) v1(64.9,51.45) v1(65.1,32) v1(65.63,45.71) v1(65.9,48.3) v1(66,43.2) v1(66.9,58.6) v1(67.2,20.4) v1(67.3,113.2) v1(67.39,40.29) v1(67.6,17.8) v1(68.1,91.9) v1(69,53.2) v1(70,88.7) v1(70,49.19) v1(70,46.19) v1(70,43.19) v1(70.7,102.3) v1(70.8,94.9) v1(72.2,63) v1(72.4,9.25) v1(72.8,109.6) v1(72.9,63.5) v1(73.7,61.5) v1(74.4,61.5) v1(74.5,21.1) v1(74.5,19.4) v1(74.6,97.8) v1(74.9,62.8) v1(74.9,62) v1(75.05,70.15) v1(75.6,13) v1(76.5,49.9) v1(76.85,33.78) v1(77.3,54.4) v1(77.4,103.7) v1(77.4,42.6) v1(77.6,60.1) v1(77.65,27.28) v1(77.7,22.1) v1(78.6,17.1) v1(79.3,113.6) v1(79.3,60.2) v1(79.3,53.6) v1(79.4,62.6) v1(79.4,61.7) v1(79.5,12.3) v1(79.6,63.4) v1(80.78,24.3) v1(80.9,62) v1(81.1,52) v1(81.32,49.79) v1(81.44,59.11) v1(81.7,85.3) v1(81.8,62.2) v1(81.9,63.7) v1(82.4,96.3) v1(82.56,59.19) v1(83.2,104.8) v1(84.12,42.5) v1(84.12,32) v1(84.12,21.5) v1(84.2,95.4) v1(84.3,57.78) v1(84.9,63.72) v1(85.3,116.5) v1(86.2,67.42) v1(86.6,19.4) v1(86.7,53.95) v1(86.9,10.9) v1(87.5,34.8) v1(88.7,113.5) v1(89.3,104) v1(90.6,96) v1(90.8,60.12) v1(90.98,55.8) v1(91.4,27.6) v1(91.7,72.42) v1(91.8,69.82) v1(91.9,68.52) v1(92.9,55.7) v1(92.9,42.6) v1(94.1,95.8) v1(94.2,20.1) v1(95.15,10.73) v1(95.6,51.7) v1(96.4,95.7) v1(97.2,68.88) v1(97.31,78.23) v1(98.4,71.75) v1(99.2,95.8) v1(100.2,18.6) v1(100.9,35.3) v1(101.9,71.72) v1(102,95.8) v1(102.1,113.3) v1(102.1,42.4) v1(102.33,11.05) v1(102.7,52) v1(104,69.08) v1(104.3,76.05) v1(106.1,97.3) v1(106.8,31.5) v1(107.2,105.1) v1(109.3,83.4) v1(109.6,77.9) v1(109.8,63.1) v1(110.6,54) v1(111.8,64.7) v1(111.9,113.3) v1(112.4,78) v1(112.8,81.6) v1(113.7,63.1) v1(114.6,105.7) v1(115.8,116.3) v1(116.9,56.1) v1(117.2,32.6) v1(117.26,33.4) v1(117.7,31.9) v1(117.8,73) v1(118,75.8) v1(118.5,31.9) v1(119.3,31.9) v1(119.3,12.4) v1(119.4,75) v1(119.4,73.7) v1(119.4,72.3) v1(119.4,34.3) v1(120,113.2) v1(120.1,104.9) v1(120.1,33.9) v1(120.1,32.3) v1(120.2,33.1) v1(120.7,76.6) v1(120.8,72.3) v1(122.2,72.4) v1(122.3,74.2) v1(125.3,73.1) v1(126.79,75.07) v1(126.8,73.78) v1(127.2,72.4) v1(128.3,76.5) v1(128.5,72.4) v1(128.5,65.9) v1(129.3,56) v1(129.63,72.68) v1(129.75,74.31) v1(130,110.9) v1(130,41.7) v1(130.4,29.5) v1(131.3,19.6) v1(131.7,91.6) v1(132.8,11.4) v1(133.6,115.5) v1(140.3,82.4) v1(140.6,76.5) v1(141.5,80.7) v1(141.5,77.9) v1(142.3,72) v1(142.8,10.6) v1(144.4,74.6) v1(144.5,75.6) v1(144.6,96.7) v1(145.9,81.2) v1(146.4,67.7) v1(146.5,47.2) v1(147.5,74.5) v1(147.6,115.3) v1(148,83.6) v1(148,79.2) v1(148.3,101.6) v1(149.1,87.7) v1(149.9,30.1) v1(150.1,26.5) v1(150.2,15.7) v1(150.3,20.9) v1(150.4,25.3) v1(150.5,75.2) v1(150.8,77.9) v1(150.9,89.9) v1(151.3,85.2) v1(151.33,28.36) v1(151.6,17.8) v1(152.1,76.6) v1(152.9,87.4) v1(153,92.4) v1(153.3,78) v1(153.9,85.2) v1(154.8,97.5) v1(154.9,89.9) v1(155,76.5) v1(155.2,77.8) v1(156,80) v1(156.1,104.3) v1(156.5,29.6) v1(157.1,62.3) v2(3.08,102.98) v2(3.08,95) v2(3.08,85.6) v2(3.08,75.58) v2(3.08,65.05) v2(3.08,55.15) v2(3.08,44.2) v2(3.08,30.63) v2(3.08,19.75) v2(15.95,2.83) v2(27.5,2.88) v2(38.03,2.83) v2(49.58,2.88) v2(60.1,2.83) v2(71.53,2.83) v2(82.15,2.83) v2(93.03,2.85) v2(103.3,2.85) v2(115.1,2.85) v2(126.53,2.85) v2(137.15,2.85) v2(148.03,2.85) v2(161.22,103.3) v2(161.38,96.48) v2(161.38,87.08) v2(161.38,77.05) v2(161.38,66.53) v2(161.38,56.63) v2(161.38,45.68) v2(161.38,32.1) v2(161.38,21.23)
+BATT: length 346.6
  Top w0.25: C23.2 71.62,18.68 v1(71.1,19.2) 70.8,19.5 U1.39
  Top w0.5: R36.2 89.75,80.37 J5.3
  Top w1: U3.1 145.18,83.78 C4.2 143.5,82.2 142.2,83.5 134.4,83.5 v3(134.2,83.3)
  Top w2: Q13.3 v3(134.2,83.3) ; Q13.3 132.48,83.5 D2.1 128.5,86 D6.1 ; Q13.3 v3(134.2,87) ; D5.1 114.2,86 v3(114.1,85.9) ; Q11.2 v3(63,73.1) ; D16.1 71.85,81.35 v3(71.9,81.4) ; Q3.2 v3(19.2,72.5) ; Q5.2 v3(48,71.3)
  Top w3: v3(97.1,56.9) 100.7,60.5 121,60.5 L1.1 133,61.25 C14.1 134.25,86.95 v3(134.2,87)
  PWR w0.25: v1(80.1,33.78) 80.1,27.51 71.79,19.2 v1(71.1,19.2)
  PWR w1: J5.3 92.02,80.12 99,87.1 R1.2 99,87.52 100.62,85.9 v3(114.1,85.9)
  PWR w2: v3(114.1,85.9) 133.1,85.9 v3(134.2,87)
  PWR w3: v3(134.2,87) 134.2,85.5 ; 134.2,85.5 134.25,85.45 C14.1 ; 134.2,85.5 v3(134.2,83.3) ; v3(97.1,56.9) 92.2,52 84.7,52 v1(80.1,56.6) 77.5,56.6 74.9,59.2 71.7,59.2 61.2,69.7 61.2,71.3 ; v3(19.2,72.5) 23.16,72.5 26.26,75.6 26.26,75.4 31.8,69.85 37.55,69.85 38.8,68.6 45.3,68.6 v3(48,71.3) 61.2,71.3 ; 61.2,71.3 v3(63,73.1) 63.6,73.1 v3(71.9,81.4)
  Bottom w0.25: v1(80.1,33.78) v1(80.1,56.6)
/A0: length 48.3
  Top w0.25: R46.1 v1(51.16,56.46) R50.2
  PWR w0.25: R121.2 22.1,35.1 22.1,37.5 24.07,39.47 v1(24.07,46.23)
  Bottom w0.25: v1(24.07,46.23) 24.07,49.37 31.16,56.46 v1(51.16,56.46)
/A1: length 51.2
  Top w0.25: v1(24.64,45.58) 24.64,43.57 21.82,40.75 U7.12 ; v1(56.98,53.78) 57.2,54 57.2,55.71 R47.1 R51.2
  Bottom w0.25: v1(24.64,45.58) 24.64,49.37 31.33,56.06 49.9,56.06 50.07,55.89 54.87,55.89 v1(56.98,53.78)
/A2: length 38.1
  Top w0.25: R52.2 v1(57.16,41.06) R48.1 ; U7.13 22.5,40.6 23.29,41.39 v1(23.33,41.39)
  Bottom w0.25: v1(23.33,41.39) 23.64,41.7 56.53,41.7 v1(57.16,41.06)
/A3: length 31.1
  Top w0.25: v1(23.26,40.54) 23,40.29 U7.14 ; R49.1 v1(51.16,41.06) R53.2
  Bottom w0.25: v1(51.16,41.06) 50.92,41.3 24.05,41.3 23.29,40.54 v1(23.26,40.54)
/Boot0: length 16.1
  Top w0.25: P36.1 25.25,53.25 25.25,50.92 R54.1 U7.44 ; v1(17.61,52.01) 17.99,52.01 S7.1
  Bottom w0.25: v1(17.61,52.01) 18.7,53.1 23.6,53.1 P36.1
/CAN_H: length 10.9
  Top w0.5: C2.1 101.89,87.7 R65.2 ; U2.7 101.87,81.34
/CAN_L: length 10.5
  Top w0.5: U2.6 103.13,81.2 ; C3.2 103.31,88.29 R66.2
/CAN_RX: length 177.2
  Top w0.25: U2.4 104.41,74.24 v1(103.4,75.25) ; U7.32 28.45,44.25 v1(28.3,44.1)
  Bottom w0.25: v1(103.4,75.25) 103.4,76.17 92.96,86.6 92.96,89.02 92.97,89.03 91.6,90.4 50.54,90.4 46.7,94.24 41,94.24 40.76,94 14.68,94 10.3,89.62 10.3,65.6 12.3,63.6 27.31,63.6 27.9,63.01 27.9,57.4 25.62,55.12 25.62,52.82 22.88,50.08 22.88,45.96 25.43,43.4 27.6,43.4 v1(28.3,44.1)
/CAN_TX: length 174.7
  Top w0.25: U7.33 28.4,44.75 v1(28.3,44.85) ; U2.1 100.59,74.52 v1(100.6,74.52)
  Bottom w0.25: v1(28.3,44.85) 28.24,44.85 27.19,43.8 25.6,43.8 23.28,46.12 23.28,49.91 26.02,52.66 26.02,54.96 28.3,57.23 28.3,63.18 27.48,64 12.47,64 10.7,65.77 10.7,89.45 14.85,93.6 40.92,93.6 41.16,93.84 46.53,93.84 47.54,92.83 47.54,91.46 49,90 91.43,90 92.56,88.87 92.56,86.44 100.6,78.4 v1(100.6,74.52)
/CLK: length 6
  Top w0.2: Y2.3 53.28,26.93 56.2,24 U1.1
